# Altium PCB Push-Pull_Inverter.PcbDoc (part 1 of 2)
Units mm, origin at the board's own origin, x right, y up, seen from the top; angles counter-clockwise.
Board outline 400.26 x 240.24 mm, 2 copper layers (Top Layer, Bottom Layer), stack 2.071 mm thick; 186 components, 84 nets, 481 pads, 291 vias.
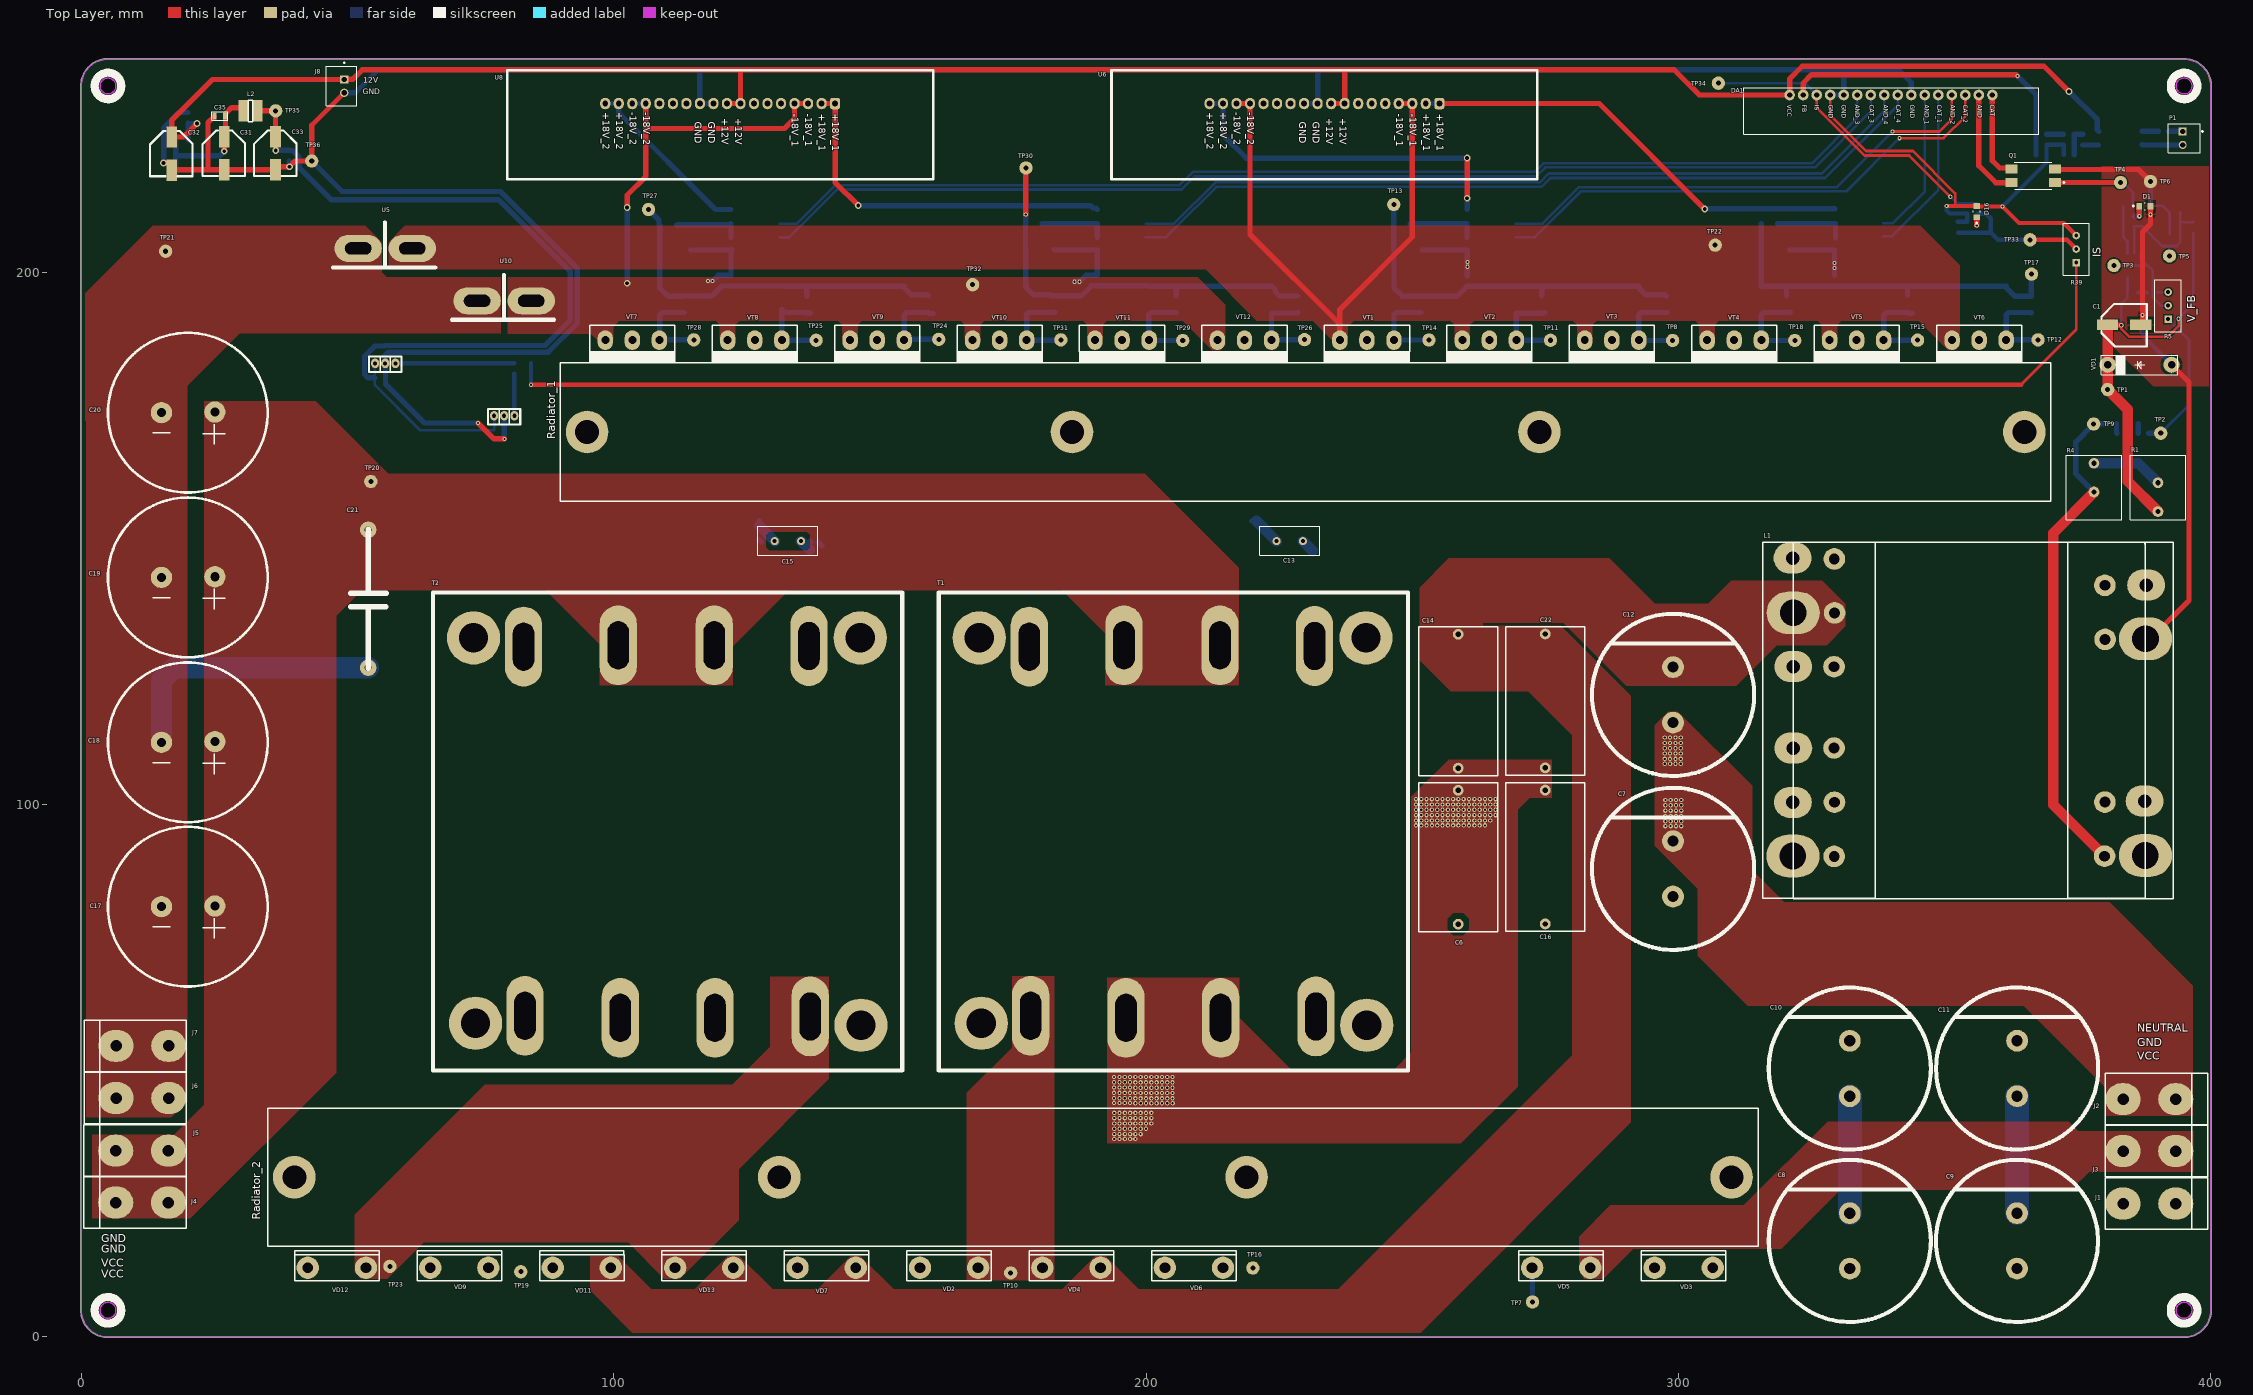
[diagram p0: Top Layer view]
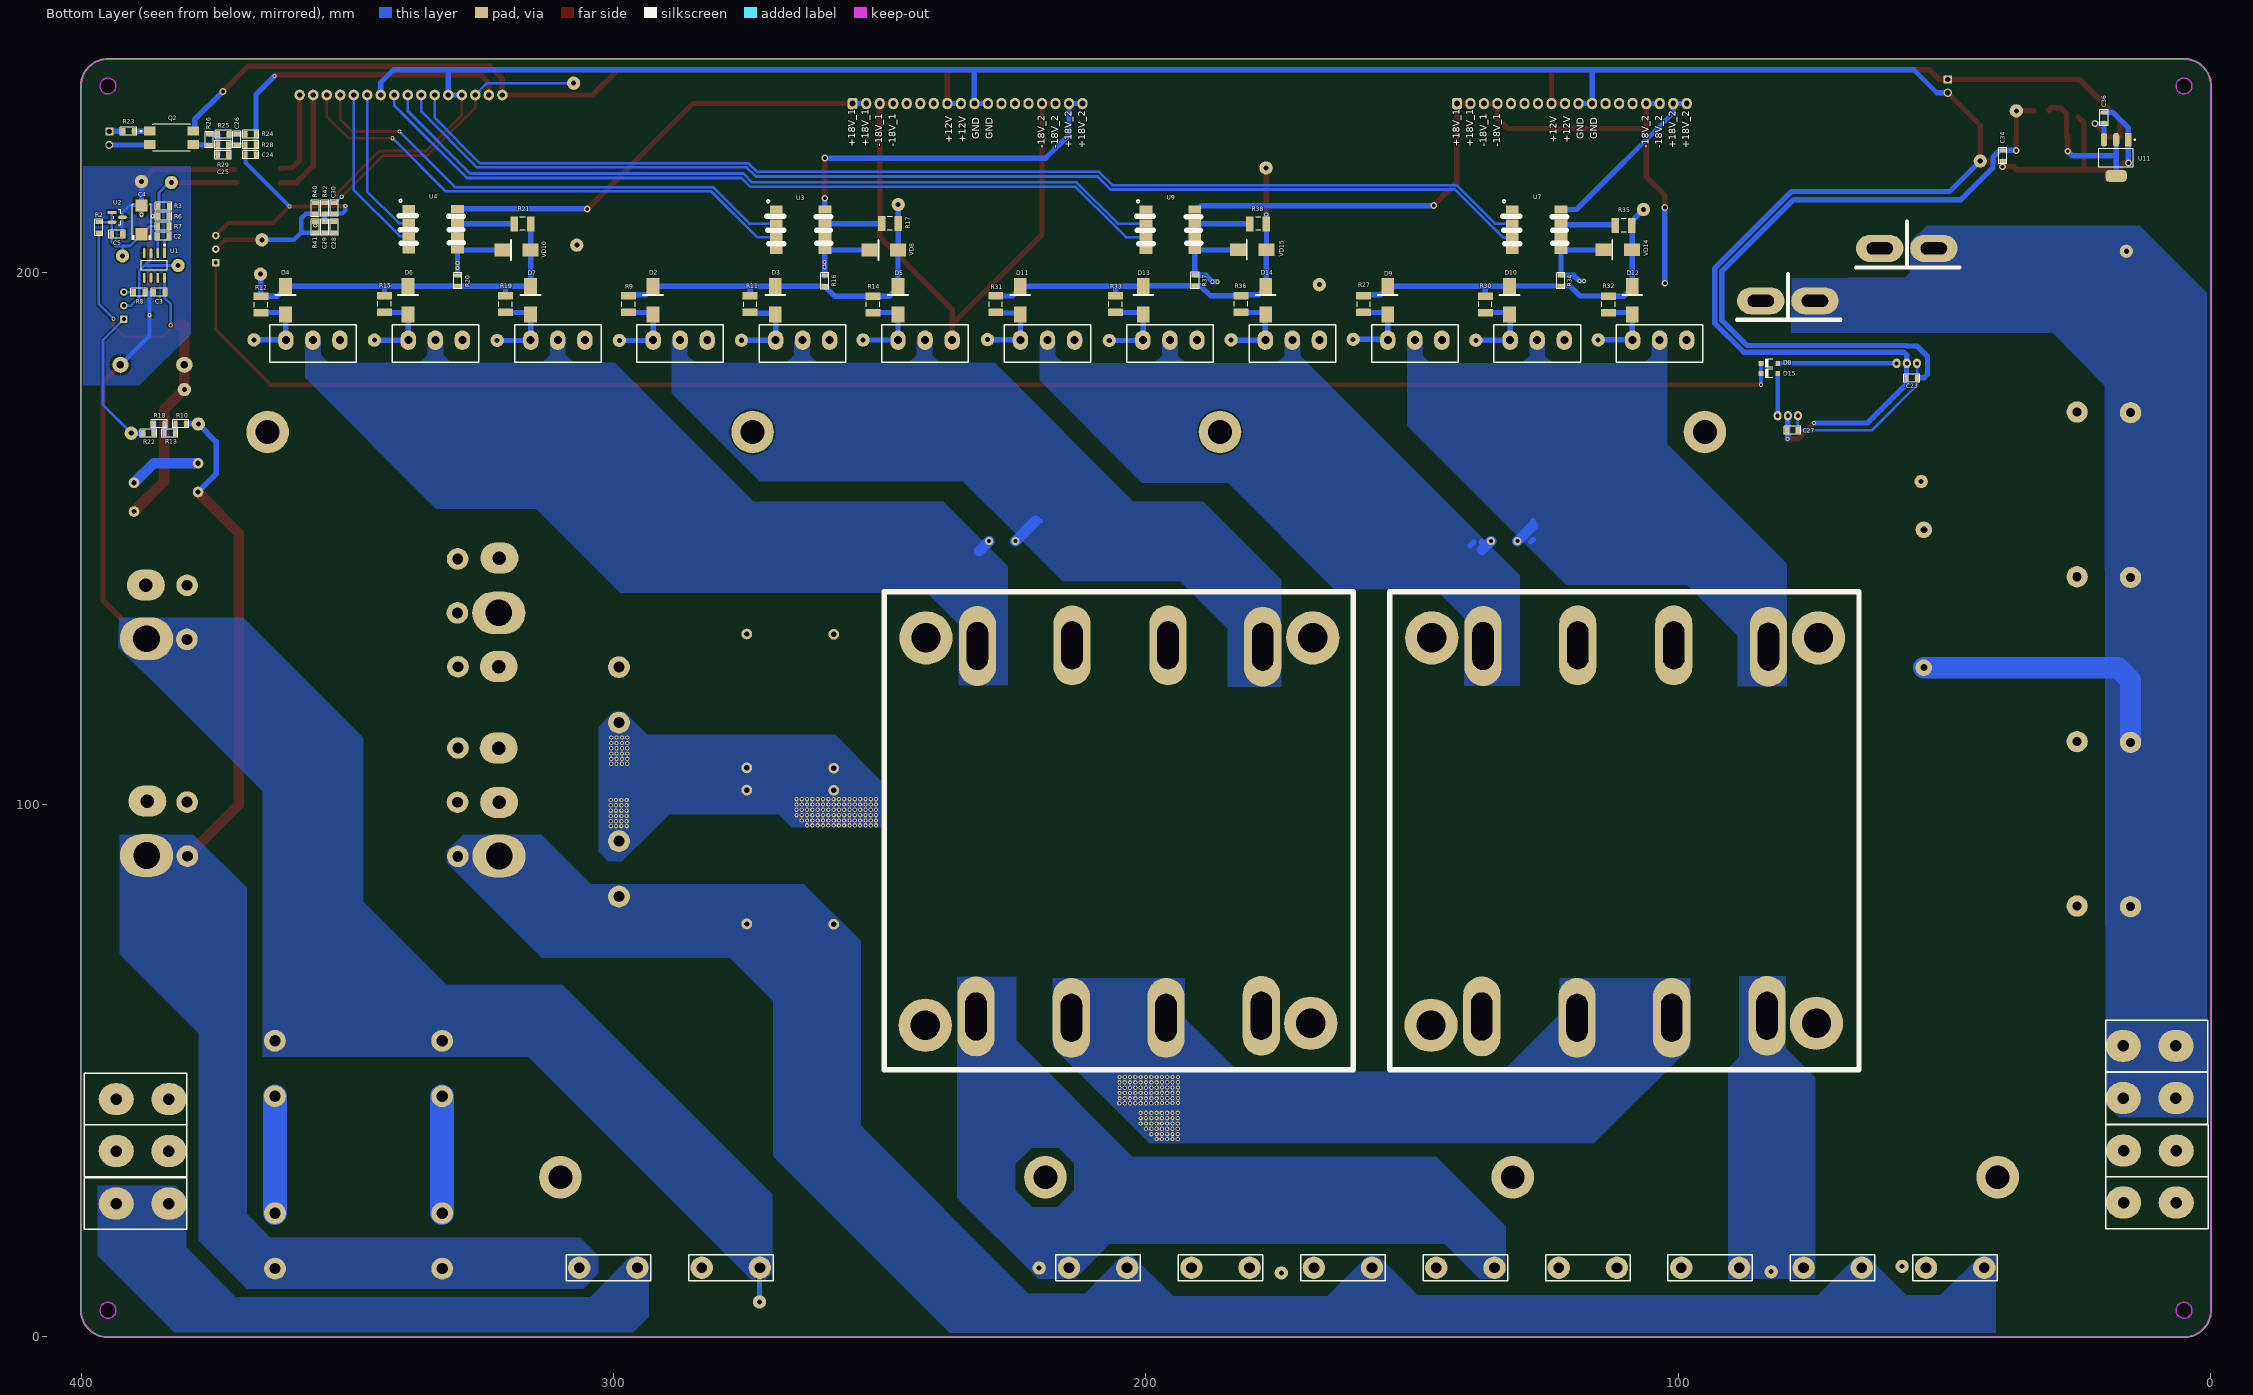
[diagram p1: Bottom Layer view, seen from below]
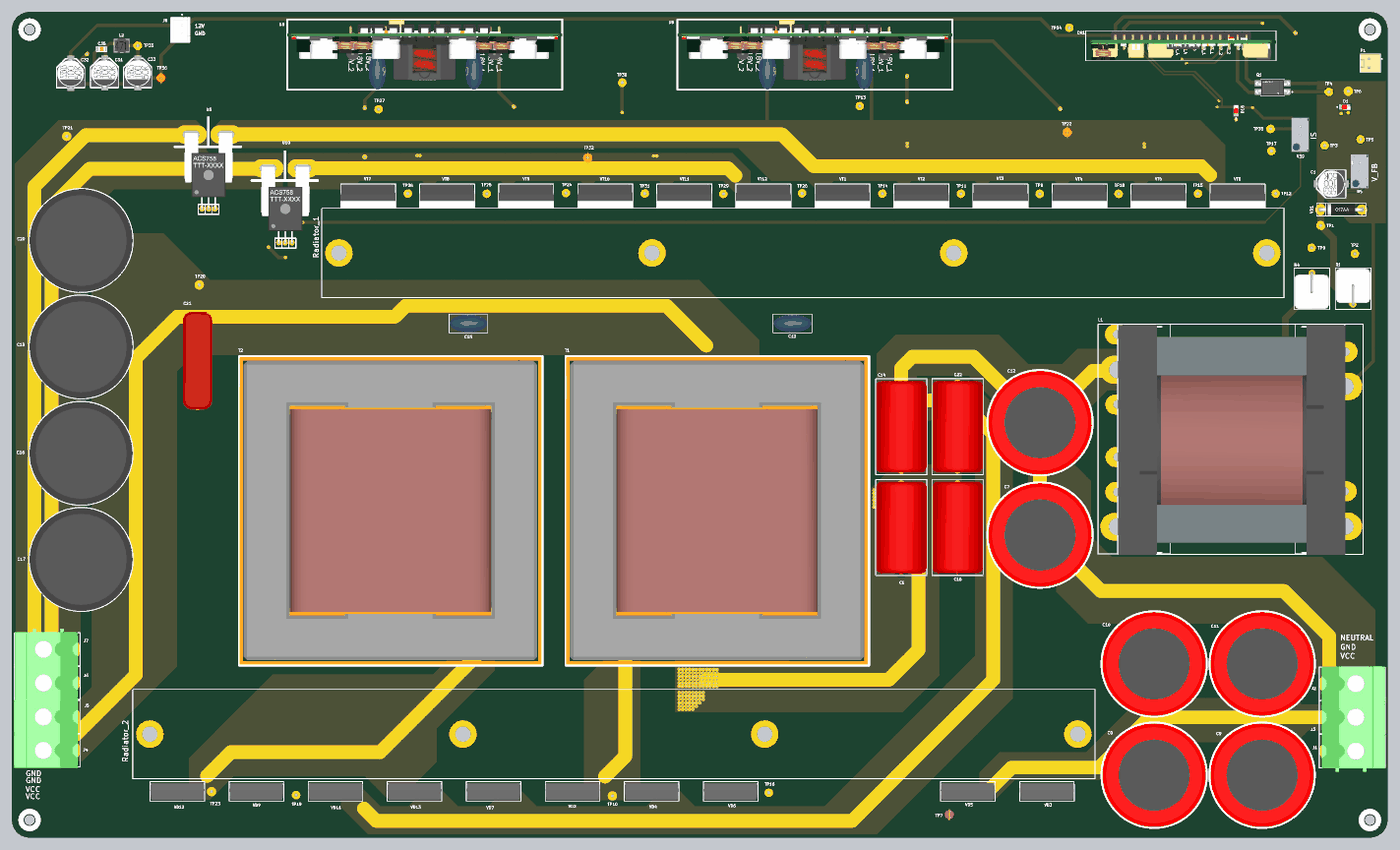
[diagram p3: 3D render of the assembled board from above, using the file's embedded part models]
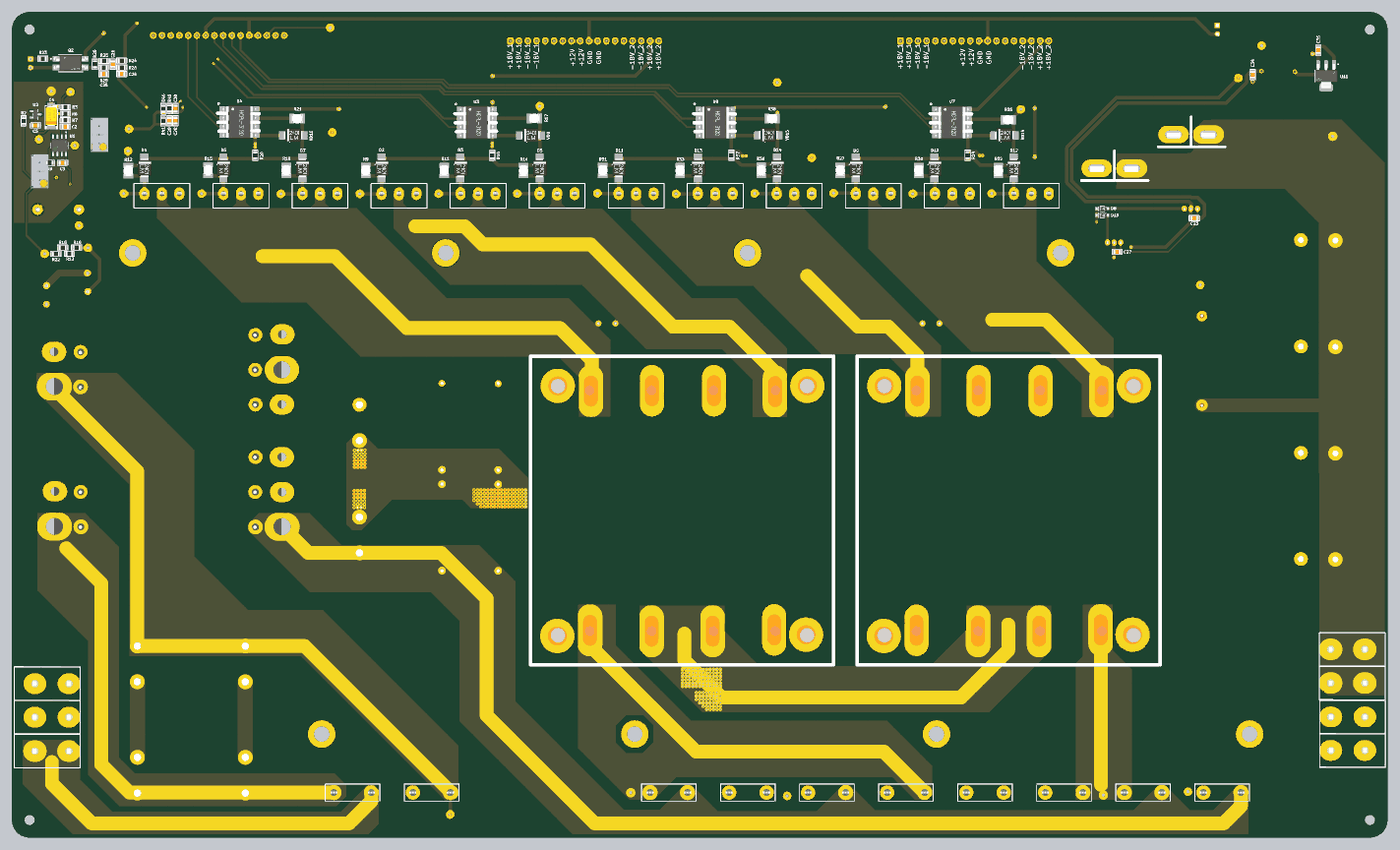
[diagram p4: 3D render of the assembled board from below, using the file's embedded part models]

## Layer stack, top to bottom
Top Solder: solder mask 0.0102, Solder Resist, Dk 3.5
Top Layer: signal copper 0.0356
Dielectric 1: dielectric 2, FR-4, Dk 4.8
Bottom Layer: signal copper 0.0356
Bottom Solder: solder mask 0.0102, Solder Resist, Dk 3.5

## Board outline
-0.125,5.022 ccw(c5.002,5.022) 5.002,-0.105 395,-0.105 ccw(c395,5.022) 400.127,5.022 400.127,5.055 400.127,234.996 400.127,235 ccw(c395,235) 395.028,240.127 395,240.13 5.002,240.127 ccw(c5.002,235) -0.125,235.044 -0.133,235
cut-out: 3.5,5 ccw(c5,5) 5,3.5 ccw(c5,5) 6.5,5 ccw(c5,5) 5,6.5 ccw(c5,5)
cut-out: 3.5,235 ccw(c5,235) 5,233.5 ccw(c5,235) 6.5,235 ccw(c5,235) 5,236.5 ccw(c5,235)
cut-out: 393.5,235 ccw(c395,235) 395,233.5 ccw(c395,235) 396.5,235 ccw(c395,235) 395,236.5 ccw(c395,235)
cut-out: 393.5,5 ccw(c395,5) 395,3.5 ccw(c395,5) 396.5,5 ccw(c395,5) 395,6.5 ccw(c395,5)

## Design rules (kind name [scope] priority, off if disabled: settings)
Clearance [All] p1: gap=0.254 ignorepadtopadclearanceinfootprint=TRUE
ComponentClearance [All] p1: gap=-5 collisioncheckmode=3 verticalgap=0.254 showdistances=FALSE
DiffPairsRouting [All] p1: maxlimit=5 minlimit=0.254 mostfreqgap=0.254 toplayer_minwidth=0.381 toplayer_maxwidth=0.381 toplayer_prefwidth=0.381 bottomlayer_minwidth=0.381 bottomlayer_maxwidth=0.381 bottomlayer_prefwidth=0.381 maxuncoupledlength=12.7
Height [All] p1: minheight=0 maxheight=150 prefheight=50
MinimumSolderMaskSliver [All] p1: minsoldermaskwidth=0.15
PlaneClearance [All] p1: clearance=0.7
PlaneConnect [All] p1: planeconnectstyle=Relief reliefexpansion=0.508 reliefentries=4 reliefconductorwidth=0.254 reliefairgap=0.5
PolygonConnect [All] p1: connectstyle=Relief reliefconductorwidth=0.254 reliefentries=4 polygonreliefangle="90 Angle" airgapwidth=0.5
RoutingVias [All] p1: holewidth=0.8 width=1.27 viastyle="Through Hole" minholewidth=0.8 minwidth=1.27 maxholewidth=0.8 maxwidth=1.27
SilkToSilkClearance [All] p1: silktosilkclearance=0.15
SilkToSolderMaskClearance [IsPad] p1: minsilkscreentomaskgap=0.15 clearancetoexposedcopper=TRUE
SolderMaskExpansion [All] p1: expansion=0.102 istentingtop=FALSE
Width [All] p1: maxlimit=7 minlimit=0.254 preferedwidth=2 minimp=50.000000 maximp=50.000000 favimp=50.000000
22 further rules are at their usual default settings.

## Components (designator, comment, footprint, x,y, rotation, side; value= is the part's Value field where it differs from the comment)
C1 "25V 330uF" CAP_SMD_Size_E 383.8,190.125 r180 top
C2 "0.1uF" CAP-0805 384.625,206.775 r0 bottom
C3 "0.1uF" CAP-0805 385.375,196.225 r180 bottom
C4 "10V_47uF" CAP-TAN-C 388.675,209.825 r90 bottom
C5 "1000pF" CAP-0805 393.3,207.125 r180 bottom
C6 "3.3uF_630V" CAP_4.7uF_630V 258.65,90.102 r270 top locked
C7 "450V_330uF" CAP_450V_330uF 299.01,87.933 r0 top
C8 "500V_470uF" CAP_450V_330uF 332.211,18.039 r0 top
C9 "500V_470uF" CAP_450V_330uF 363.618,18.039 r0 top
C10 "500V_470uF" CAP_450V_330uF 332.211,50.419 r0 top
C11 "500V_470uF" CAP_450V_330uF 363.65,50.432 r0 top
C12 "450V_330uF" CAP_450V_330uF 299.01,120.615 r0 top
C13 "CAP-V" CAP-V 227,149.5 r0 top
C14 "3.3uF_630V" CAP_4.7uF_630V 258.65,119.425 r270 top locked
C15 "CAP-V" CAP-V 132.725,149.5 r0 top
C16 "3.3uF_630V" CAP_4.7uF_630V 275,90.152 r270 top locked
C17 "1000uF_50V" CAP_100V_1500uF 20,80.825 r180 top locked
C18 "1000uF_50V" CAP_100V_1500uF 20,111.702 r180 top locked
C19 "1000uF_50V" CAP_100V_1500uF 20,142.677 r180 top locked
C20 "1000uF_50V" CAP_100V_1500uF 20,173.625 r180 top locked
C21 "CAP-NON-POLAR" CAP_1.5uf_400V 53.875,138.675 r90 top
C22 "3.3uF_630V" CAP_4.7uF_630V 275,119.475 r270 top locked
C23 "0.1uF" CAP-0805 56.125,180.125 r180 bottom
C24 "CAP-NON-POLAR" CAP-0805 368.18,222.065 r180 bottom
C25 "CAP-NON-POLAR" CAP-0805 373.38,222.04 r0 bottom
C26 "CAP-NON-POLAR" CAP-0805 370.78,224.94 r90 bottom
C27 "0.1uF" CAP-0805 78.55,170.325 r180 bottom
C28 "1uF" CAP-0805 352.511,208.475 r90 bottom
C29 "0.1uF" CAP-0805 354.286,208.475 r90 bottom
C30 "CAP-NON-POLAR" CAP-0805 352.511,212.025 r90 bottom
C31 "CAP-POLAR" CAP_SMD_Size_E 26.825,222.3 r90 top
C32 "CAP-POLAR" CAP_SMD_Size_E 16.95,222.225 r90 top
C33 "CAP-POLAR" CAP_SMD_Size_E 36.475,222.3 r90 top
C34 "0.1uF" CAP-0805 39.075,221.875 r90 bottom
C35 "0.1uF" CAP-0805 26,229.35 r0 top
C36 "0.1uF" CAP-0805 20.025,229.025 r270 bottom
D1 "RED" LED_RED 387.625,212.425 r0 top
D2 "US1G" DO-214AA 292.6,197 r270 bottom
D3 "US1G" DO-214AA 269.65,197 r270 bottom
D4 "US1G" DO-214AA 361.625,197 r270 bottom
D5 "US1G" DO-214AA 246.6,197 r270 bottom
D6 "US1G" DO-214AA 338.625,197 r270 bottom
D7 "US1G" DO-214AA 315.625,197 r270 bottom
D8 "1N4148" DIOD-SOD123-2_V 82.9,182.9 r0 bottom
D9 "US1G" DO-214AA 154.575,197 r270 bottom
D10 "US1G" DO-214AA 131.7,197 r270 bottom
D11 "US1G" DO-214AA 223.625,197 r270 bottom
D12 "US1G" DO-214AA 108.65,197 r270 bottom
D13 "US1G" DO-214AA 200.525,197 r270 bottom
D14 "US1G" DO-214AA 177.5,197 r270 bottom
D15 "1N4148" DIOD-SOD123-2_V 82.9,181 r0 bottom
D16 "151031YS06000" LED_RED 356.061,211.4 r90 top
DA1 "PWM_Controller_Half_Bridge_ONLY_TL494" PWM_Controller_Half_Bridge_ONLY_TL494 340,232 r0 top locked
J1 "MG_136_HT" Conn_MEIGAN_MG136HT 390.9,25.05 r90 top
J2 "MG_136_HT" Conn_MEIGAN_MG136HT 390.9,44.675 r90 top
J3 "MG_136_HT" Conn_MEIGAN_MG136HT 390.9,34.925 r90 top
J4 "MG_136_HT" Conn_MEIGAN_MG136HT 9,25.25 r270 top locked
J5 "MG_136_HT" Conn_MEIGAN_MG136HT 9,35 r270 top locked
J6 "MG_136_HT" Conn_MEIGAN_MG136HT 9.052,44.872 r270 top locked
J7 "MG_136_HT" Conn_MEIGAN_MG136HT 9.052,54.672 r270 top locked
J8 "B2B-XH-A" B2B-XH-A 48.85,234.975 r270 top
L1 "ETD59" Drossel 357.29,117.29 r270 top
L2 "Coil" Coil_4.5x4.5_mm 31.775,230.325 r0 top
P1 "61900211121" 61900211121 395.055,225.19 r90 top
Q1 "PC817XNNIP0F" FP-PC817XNNIP0F-MFG 366.675,218.125 r180 top
Q2 "PC817XNNIP0F" FP-PC817XNNIP0F-MFG 383.055,225.24 r180 bottom
R1 "18K" RES_5W_VERT 378.075,158.725 r270 top
R2 "18K" RES-0805 396.7,208.425 r270 bottom
R3 "5K" RES-0805 384.55,212.425 r180 bottom
R4 "18K" RES_5W_VERT 390.1,160.45 r90 top
R5 "10K" RES_Adj_3296W_Bourns 392.025,193.735 r0 top
R6 "5K" RES-0805 384.575,210.525 r0 bottom
R7 "100K" RES-0805 384.6,208.65 r180 bottom
R8 "1K" RES-0805 389.15,196.216 r180 bottom
R9 "10E" RES_SMD_1210_IPC_A 297.2,194 r90 bottom
R10 "100K" RES-0805 381.325,171.55 r180 bottom
R11 "10E" RES_SMD_1210_IPC_A 274.35,194 r90 bottom
R12 "10E" RES_SMD_1210_IPC_A 366.275,193.925 r90 bottom
R13 "100K" RES-0805 383.4,169.775 r180 bottom
R14 "10E" RES_SMD_1210_IPC_A 251.275,193.975 r90 bottom
R15 "10E" RES_SMD_1210_IPC_A 343.05,194.075 r90 bottom
R16 "4.7K" RES-0805 260.375,198.375 r270 bottom
R17 "10E" RES_SMD_1210_IPC_A 248.1,209.15 r180 bottom
R18 "100K" RES-0805 385.375,171.55 r180 bottom
R19 "10E" RES_SMD_1210_IPC_A 320.325,194.025 r90 bottom
R20 "4.7K" RES-0805 329.325,198.4 r270 bottom
R21 "10E" RES_SMD_1210_IPC_A 317.125,209.1 r180 bottom
R22 "100K" RES-0805 387.375,169.75 r180 bottom
R23 "10K" RES-0805 391.13,226.515 r180 bottom
R24 "10K" RES-0805 368.18,225.939 r180 bottom
R25 "10K" RES-0805 373.355,225.915 r180 bottom
R26 "10K" RES-0805 375.98,224.915 r90 bottom
R27 "10E" RES_SMD_1210_IPC_A 159.1,194.025 r90 bottom
R28 "10K" RES-0805 368.18,223.94 r180 bottom
R29 "10K" RES-0805 373.38,223.94 r180 bottom
R30 "10E" RES_SMD_1210_IPC_A 136.25,193.975 r90 bottom